# Altium PCB Venato_PCB_v2.PcbDoc (part 1 of 2)
Units mm, origin at the board's own origin, x right, y up, seen from the top; angles counter-clockwise.
Board outline 81.12 x 49.73 mm, 4 copper layers (Top Layer, GND, PWR, Bottom Layer), stack 1.586 mm thick; 111 components, 90 nets, 476 pads, 277 vias.
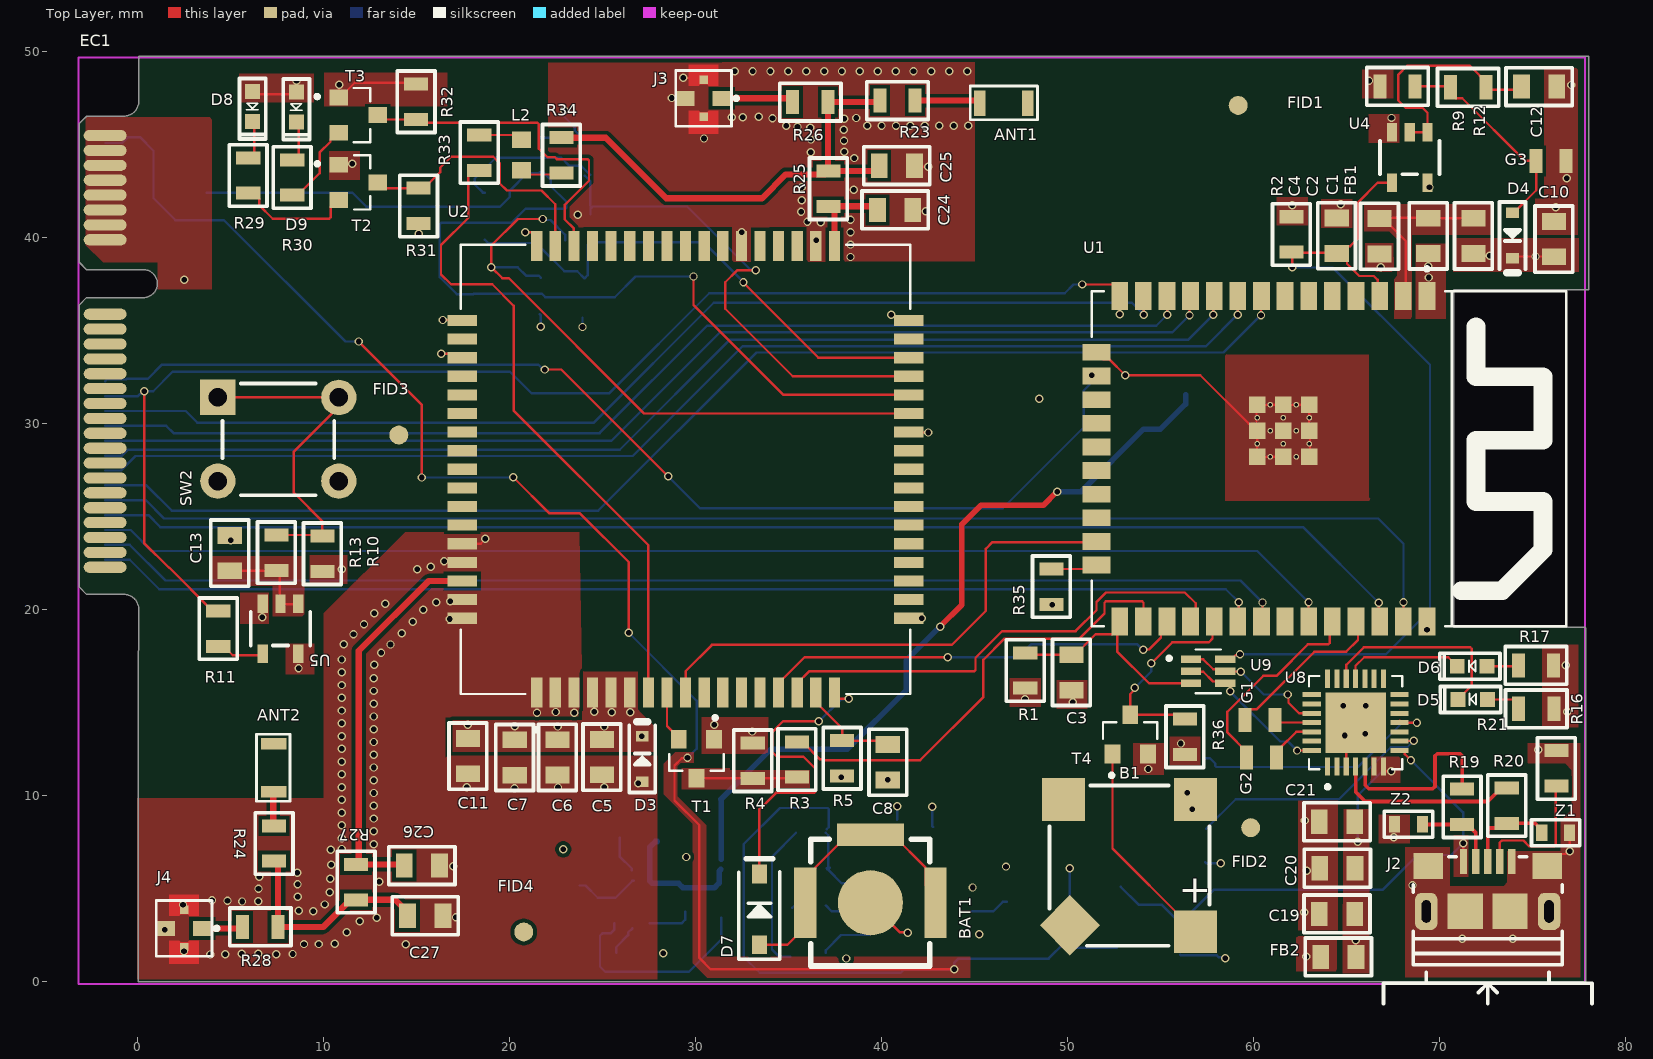
[diagram p0: Top Layer view]
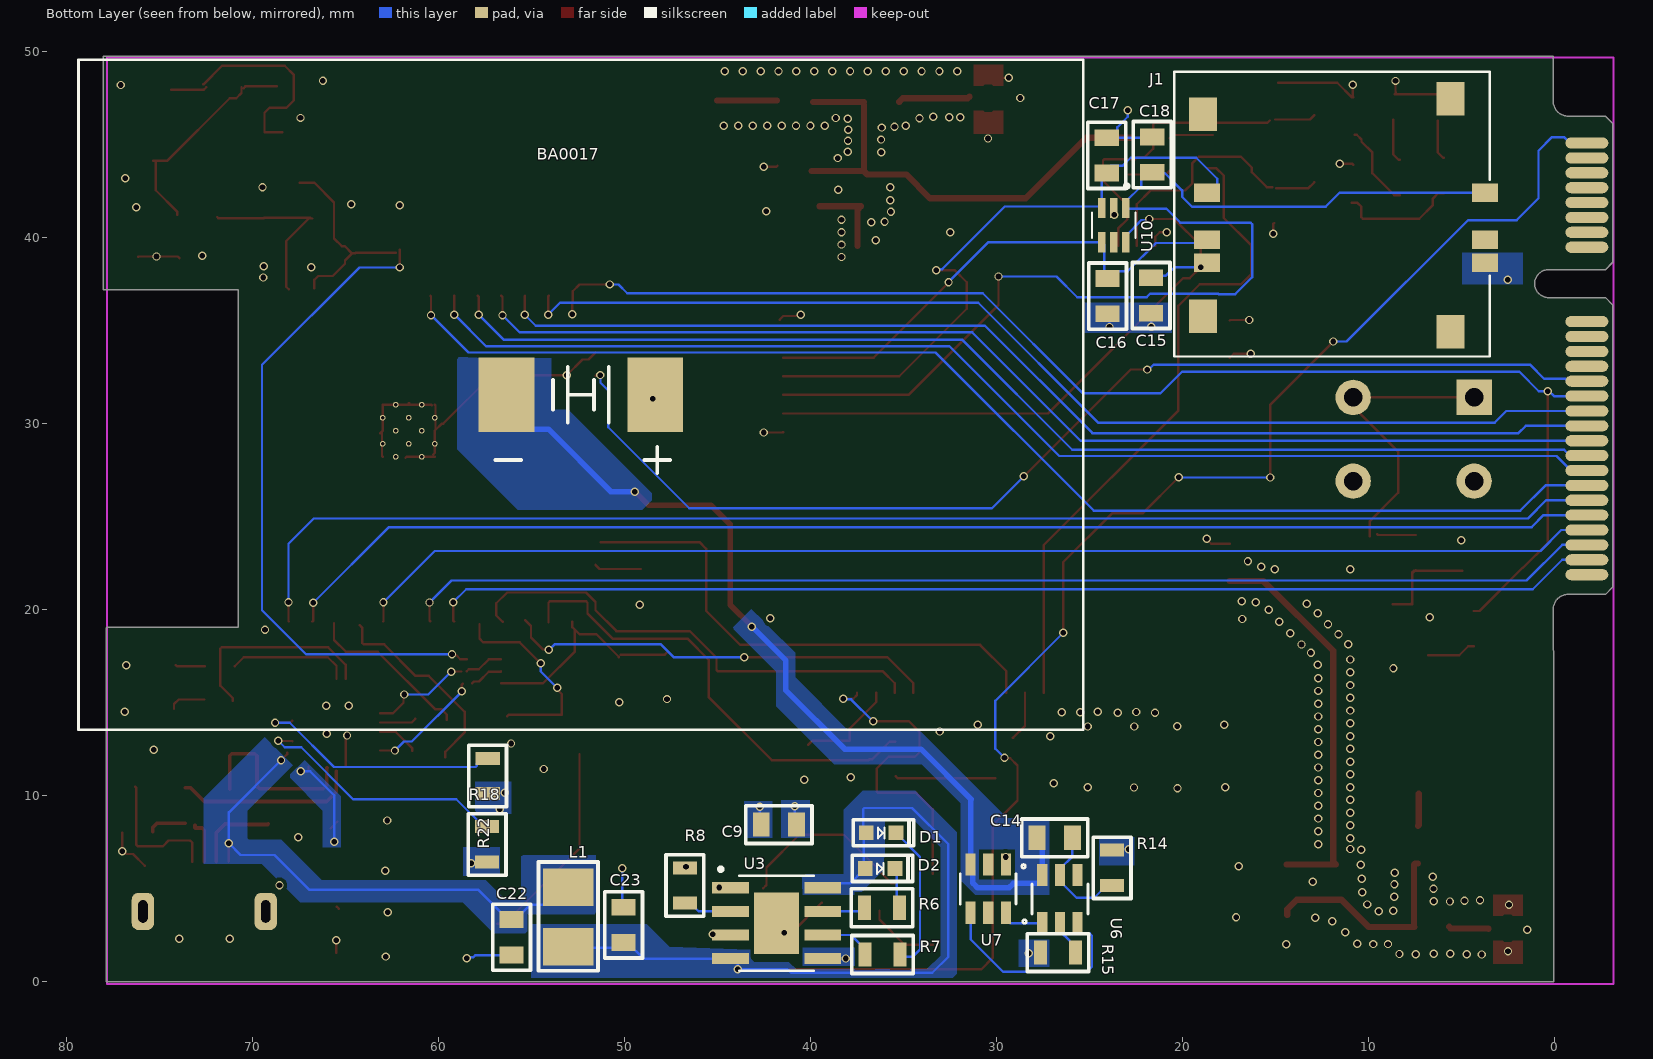
[diagram p1: Bottom Layer view, seen from below]
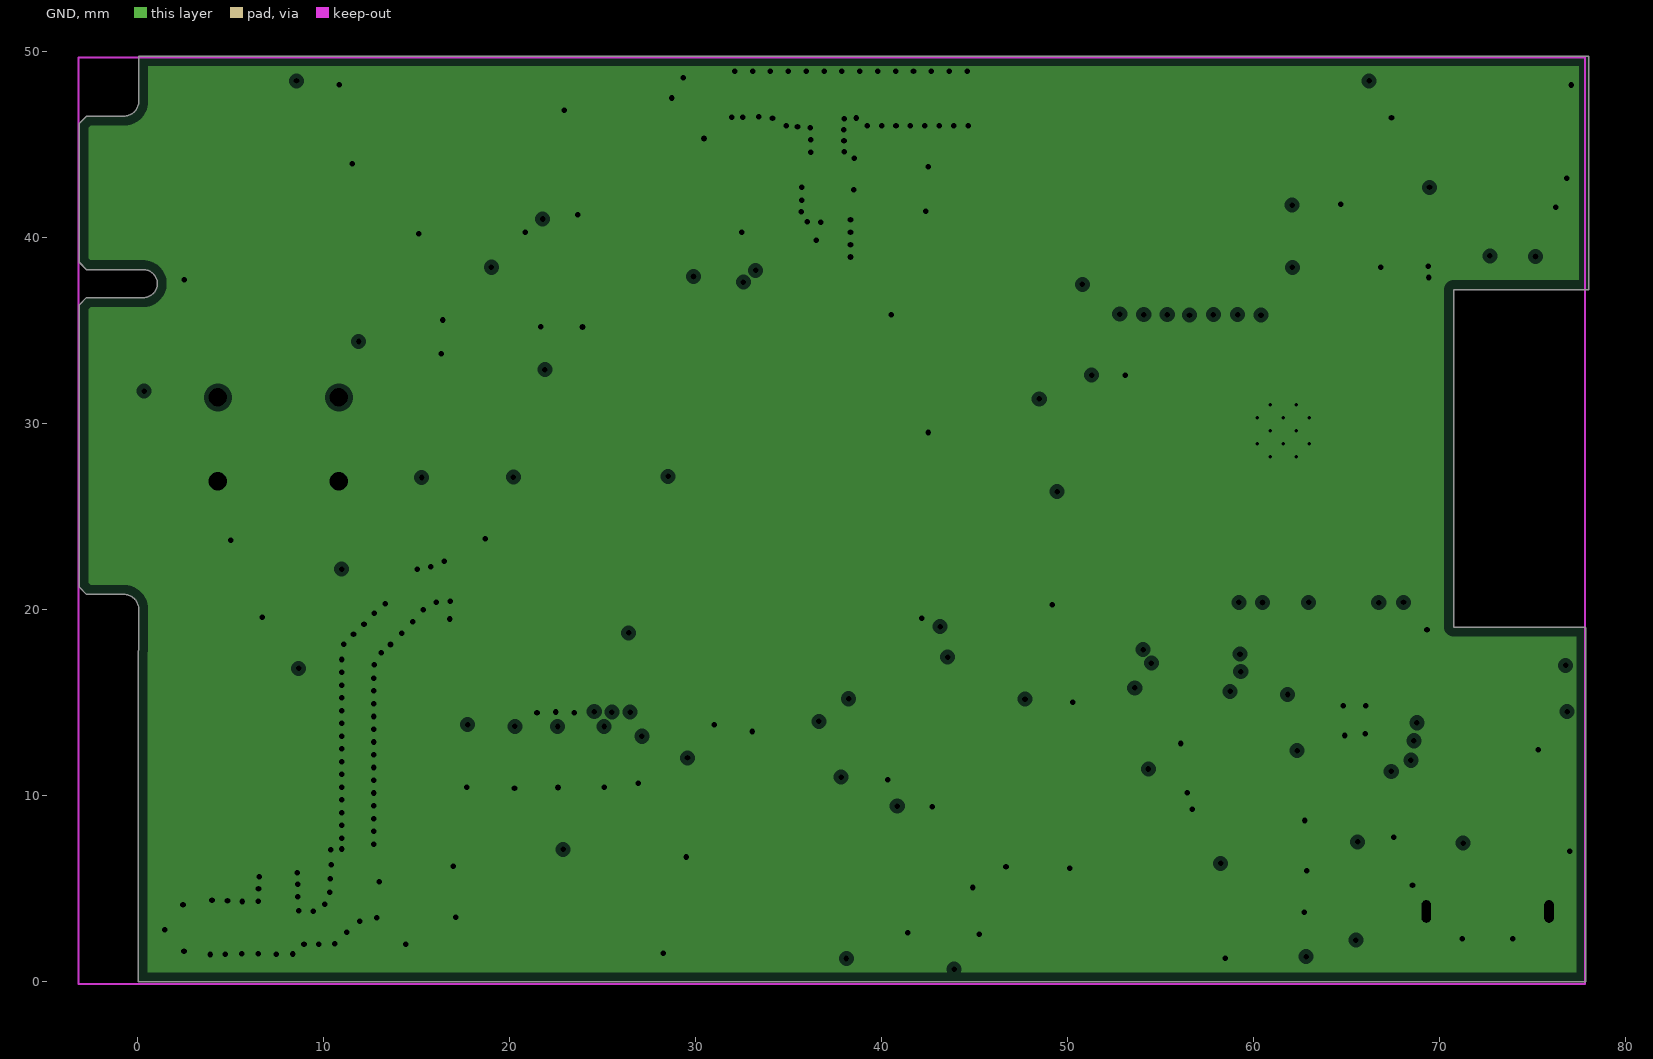
[diagram p2: GND, clearances drawn from the general rule]
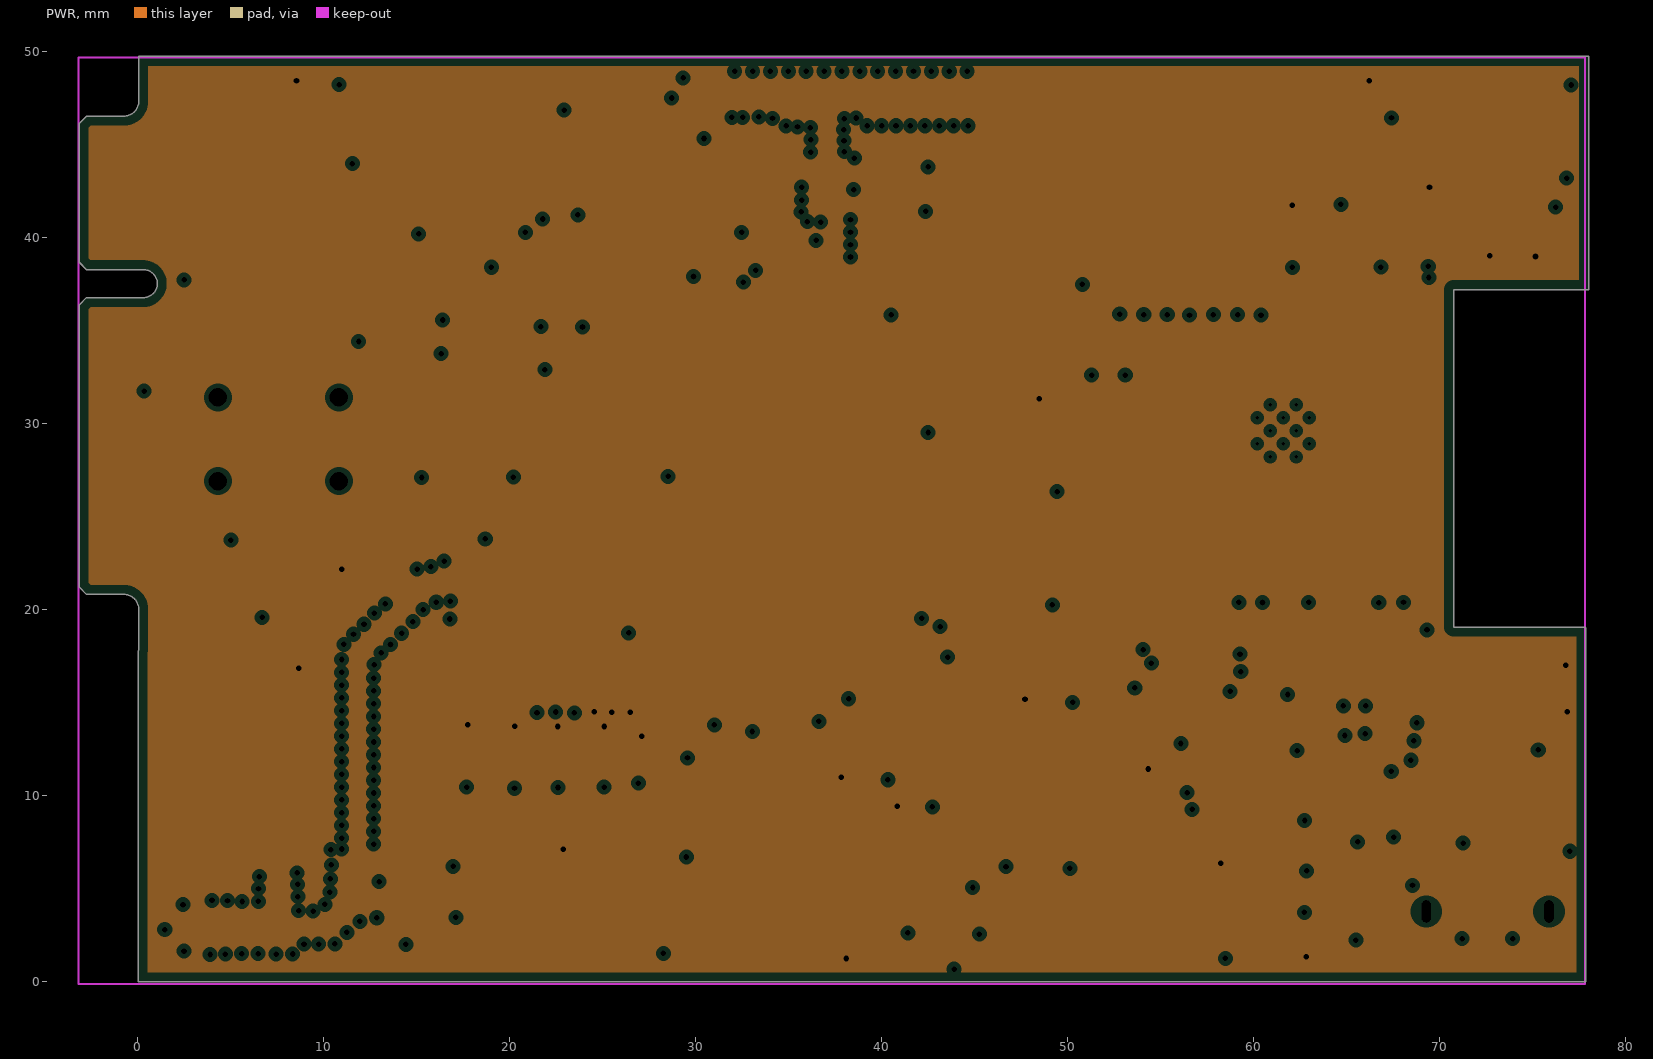
[diagram p3: PWR, clearances drawn from the general rule]
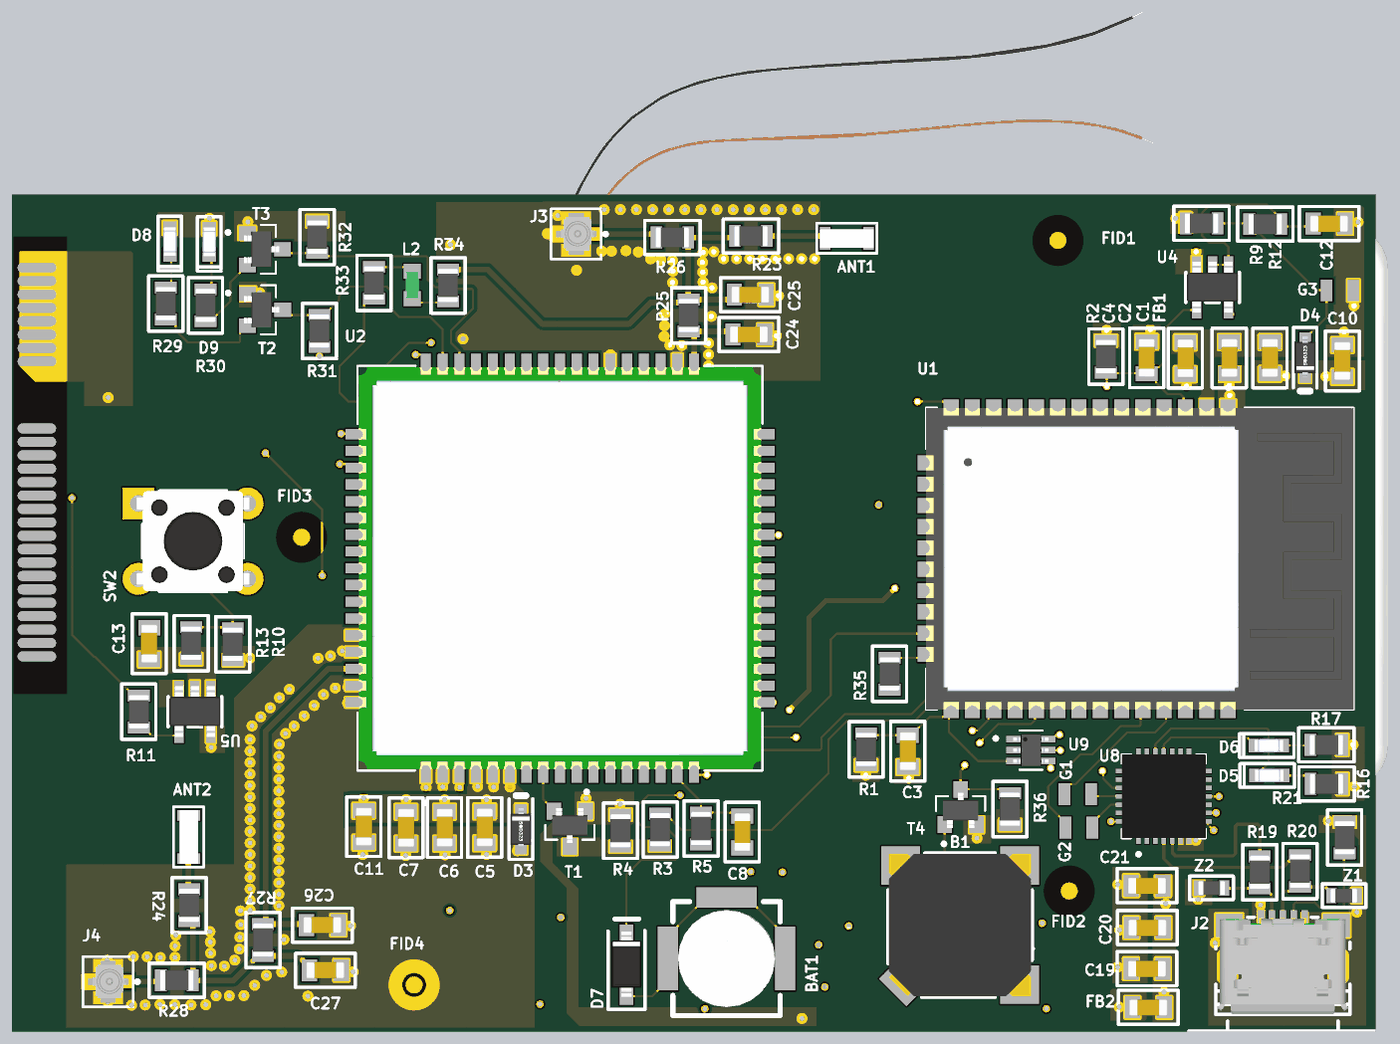
[diagram p5: 3D render of the assembled board from above, using the file's embedded part models]
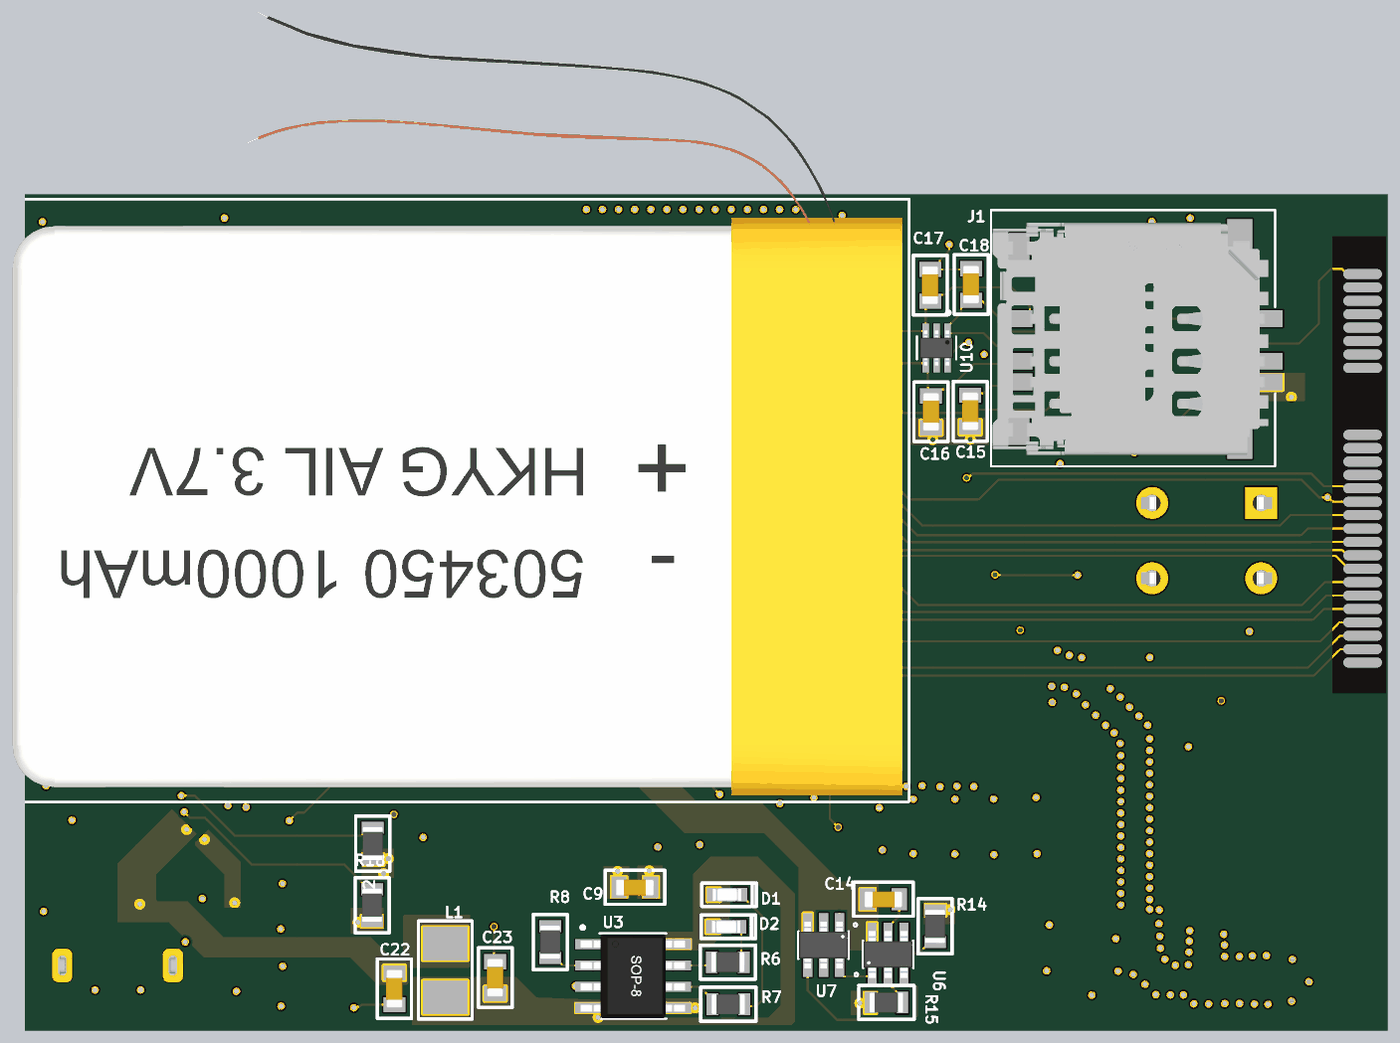
[diagram p6: 3D render of the assembled board from below, using the file's embedded part models]

## Layer stack, top to bottom
Top Solder: solder mask 0.0254, SM-001, Dk 4
Top Layer: signal copper 0.035
Dielectric 2: prepreg 0.2104, PP-006, Dk 4.6
GND: plane copper 0.0152, net GND
Dielectric 1: core 1.065, Core-043, Dk 4.6
PWR: plane copper 0.0152, net +3.7V_B
Dielectric 3: prepreg 0.2104, PP-006, Dk 4.6
Bottom Layer: signal copper 0.035
Bottom Solder: solder mask 0.0254, SM-001, Dk 4

## Board outline
-2.728,20.815 -0.728,20.815 cw(c-0.728,20.015) 0.072,20.015 0.072,17.815 0.033,17.764 0.033,-0.011 77.851,-0.011 77.851,19.003 77.803,19.05 70.733,19.05 70.733,26.11 70.738,26.115 70.738,37.198 70.74,37.196 77.994,37.196 77.994,49.723 0.073,49.723 0.073,49.538 0.072,49.515 0.072,47.315 cw(c-0.728,47.315) -0.728,46.515 -2.728,46.515 -3.128,46.115 -3.128,38.665 -2.728,38.265 0.322,38.265 cw(c0.322,37.515) 0.322,36.765 -2.728,36.765 -3.128,36.365 -3.128,21.215

## Design rules (kind name [scope] priority, off if disabled: settings)
AssemblyTestPointUsage [All] p1: valid=2
AssemblyTestpoint [All] p1: testpointundercomponent=TRUE minsize=1.016 maxsize=2.54 preferedsize=1.524 minholesize=0 maxholesize=1.016 preferedholesize=0.813 testpointgrid=0.025 usegrid=FALSE gridtolerance=0 allowsidetop=TRUE allowsidebottom=TRUE
Clearance [All] p1: gap=0.2 ignorepadtopadclearanceinfootprint=FALSE except(0.127: SMDPad-SMDPad; 0.254: Arc-Via Track-Via Via-Via; 0.33: Arc-THPad Track-THPad; 0.5: THPad-THPad)
DiffPairsRouting DiffPairsRouting_1 [InDifferentialPair('USB')] p1: maxlimit=0.127 minlimit=0.127 mostfreqgap=0.127 toplayer_minwidth=0.194 toplayer_maxwidth=0.194 toplayer_prefwidth=0.194 bottomlayer_minwidth=0.194 bottomlayer_maxwidth=0.194 bottomlayer_prefwidth=0.194 impedanceprofiledriven=TRUE impedanceprofileid={75167C24-F014-4020-92DB-5452C391FAD7} impedanceprofilevalue=90.000000 maxuncoupledlength=12.7
DiffPairsRouting [InDifferentialPair('CON_USB')] p2: maxlimit=0.127 minlimit=0.127 mostfreqgap=0.127 toplayer_minwidth=0.194 toplayer_maxwidth=0.194 toplayer_prefwidth=0.194 bottomlayer_minwidth=0.194 bottomlayer_maxwidth=0.194 bottomlayer_prefwidth=0.194 impedanceprofiledriven=TRUE impedanceprofileid={75167C24-F014-4020-92DB-5452C391FAD7} impedanceprofilevalue=90.000000 maxuncoupledlength=12.7
FabricationTestPointUsage [All] p1: valid=2 allowmultiple=FALSE
FabricationTestpoint [All] p1: side=3 testpointundercomponent=TRUE minsize=1.016 maxsize=2.54 preferedsize=1.524 minholesize=0 maxholesize=1.016 preferedholesize=0.813 testpointgrid=0.025 allowsidetop=TRUE allowsidebottom=TRUE usegrid=FALSE gridtolerance=0
MinimumSolderMaskSliver [All] p1: minsoldermaskwidth=0
PlaneClearance [All] p1: clearance=0.254
PlaneConnect [All] p1: planeconnectstyle=Direct reliefexpansion=0.508 reliefentries=4 reliefconductorwidth=0.254 reliefairgap=0.254
PolygonConnect [All] p1: connectstyle=Direct reliefconductorwidth=0.254 reliefentries=4 polygonreliefangle="90 Angle" airgapwidth=0.254
RoutingVias [All] p1: holewidth=0.3 width=0.45 viastyle="Through Hole" minholewidth=0.3 minwidth=0.45 maxholewidth=4 maxwidth=6
SilkToSilkClearance [All] p1: silktosilkclearance=0
SilkToSolderMaskClearance [IsPad] p1: minsilkscreentomaskgap=0 clearancetoexposedcopper=TRUE
SolderMaskExpansion [All] p1: expansion=0.102 istentingtop=FALSE
UnRoutedNet [All] p1: checkbadconnections=TRUE
Width Width_VBAT [InNet('-VBAT')] p1: maxlimit=0.3 minlimit=0.3 preferedwidth=0.3
Width Width_S50 [InNetClass('S50')] p2: maxlimit=0.336 minlimit=0.336 preferedwidth=0.336 impedanceprofiledriven=TRUE impedanceprofileid={2D554648-7470-4B6A-B256-5873F72B3ABA} impedanceprofilevalue=50.000000 minimp=50.000000 maximp=50.000000 favimp=50.000000
Width [All] p3: maxlimit=0.127 minlimit=0.127 preferedwidth=0.127
19 further rules are at their usual default settings.

## Classes and differential pairs
net class S50: GPS_ANT GSM_ANT NetANT1_1 NetANT2_1 NetC25_2 NetC27_2 NetJ3_1 NetJ4_1
differential pair class usb_direct: CON_USB
differential pair class USB_chip: USB
differential pair USB: +USB_P -USB_N
differential pair CON_USB: +CON_USB_P -CON_USB_N

## Components (designator, comment, footprint, x,y, rotation, side; value= is the part's Value field where it differs from the comment)
ANT1 "W3043" W3010 46.564,47.215 r0 top
ANT2 "W3043" W3010 7.32,11.498 r90 top
B1 "SMD-8503-3627-16" SMD-8503-3627-16O 53.32,6.239 r0 top
BA0017 "BAT?" BATTERY 52.331,31.542 r0 bottom
BAT1 "MY-521-01" My-521-01 39.392,4.244 r0 top
C1 "22uF" C0805 69.373,40.084 r90 top
C2 "100nF" C0805 66.755,40.064 r90 top
C3 "100nF" C0805 50.198,16.619 r90 top
C4 "100nF" C0805 64.452,40.091 r270 top
C5 "100nF" C0805 24.968,12.07 r90 top
C6 "1uF" C0805 22.576,12.058 r90 top
C7 "100uF" C0805 20.277,12.048 r90 top
C8 "1uF" C0805 40.329,11.792 r90 top
C9 "10uF" C0805 41.693,8.443 r180 bottom
C10 "100nF" C0805 76.125,39.904 r270 top
C11 "100nF" C0805 17.759,12.119 r90 top
C12 "1uF" C0805 75.329,48.103 r0 top
C13 "1uF" C0805 4.963,23.035 r90 top
C14 "100nF" C0805 26.866,7.732 r180 bottom
C15 "33pF" C0805 21.683,36.877 r90 bottom
C16 "33pF" C0805 24.027,36.844 r90 bottom
C17 "33pF" C0805 24.067,44.405 r270 bottom
C18 "100nF" C0805 21.622,44.446 r270 bottom
C19 "10uF" C0805 64.469,3.641 r0 top
C20 "100nF" C0805 64.493,6.095 r0 top
C21 "100nF" C0805 64.473,8.597 r0 top
C22 "100uF" C0805 56.052,2.389 r90 bottom
C23 "100uF" C0805 50.033,3.051 r270 bottom
C24 "100nF" C0805 40.725,41.477 r180 top
C25 "100nF" C0805 40.813,43.854 r180 top
C26 "100nF" C0805 15.29,6.238 r180 top
C27 "100nF" C0805 15.468,3.545 r180 top
D1 "Green" LED0603 36.197,8.003 r0 bottom
D2 "Orange" LED0603 36.246,6.088 r0 bottom
D3 "5.1V" SOD323 27.134,11.965 r270 top
D4 "BAT54HT1G" SOD323 73.901,40.104 r90 top
D5 "Orange" LED0603 71.766,15.167 r0 top
D6 "Orange" LED0603 71.736,16.953 r0 top
D7 "RB160M-30TR" SOD123 33.426,3.887 r270 top
D8 "Green" LED0603 6.192,47.036 r90 top
D9 "Green" LED0603 8.544,47.01 r90 top
EC1 "Edge Card , Pin 52" "Edge Connector" -3.137,37.523 r270 top
FB1 "MPZ2012S601AT000" C0805 71.798,40.084 r90 top
FB2 "MPZ2012S601AT000" C0805 64.548,1.334 r0 top
FID1 "FID_1MM" FID_x_420 59.157,47.092 r0 top
FID2 "FID_1MM" FID_x_420 59.83,8.277 r0 top
FID3 "FID_1MM" FID_x_420 14.052,29.38 r0 top
FID4 "FID_1MM" FID_x_420 20.763,2.671 r0 top
G1 "0" R0805_no_3d 60.337,14.061 r0 top
G2 "0" R0805_no_3d 60.413,12.056 r0 top
G3 "0" R0805_no_3d 75.976,44.114 r180 top
J1 "78800-0001" SIM 11.963,41.199 r180 bottom
J2 "10118193-0001LF" 10118193-0001LF 72.569,5.114 r0 top
J3 "SMA/RF" IPEX_20579-001E 30.431,47.474 r90 top
J4 "SMA/RF" IPEX_20579-001E 2.511,2.864 r90 top
L1 "2U2/2A" CL_inductor 53.013,3.481 r270 bottom
L2 "27nH" INDC1608X100N 20.653,44.431 r270 top
R1 "10K" R0805 47.715,16.726 r90 top
R2 "10K" R0805 62.019,40.159 r270 top
R3 "4.7K" R0805 35.442,11.941 r270 top
R4 "47K" R0805 33.073,11.876 r90 top
R5 "10K" R0805 37.875,12.005 r90 top
R6 "680" R0805 36.147,3.974 r180 bottom
R7 "680" R0805 36.122,1.462 r180 bottom
R8 "1.2k" R0805 46.74,5.173 r270 bottom
R9 "1K" R0805 67.721,48.116 r180 top
R10 "1K" R0805 9.943,22.996 r270 top
R11 "560" R0805 4.345,18.975 r90 top
R12 "10K" R0805 71.519,48.065 r0 top
R13 "10K" R0805 7.468,23.06 r270 top
R14 "100" R0805 23.781,6.119 r90 bottom
R15 "1K" R0805 26.688,1.565 r180 bottom
R16 "560" R0805 75.181,14.666 r0 top
R17 "560" R0805 75.168,16.996 r0 top
R18 "10K" R0805 57.374,7.378 r270 bottom
R19 "22" R0805 71.196,9.395 r90 top
R20 "22" R0805 73.593,9.463 r90 top
R21 "0R" R0805 76.258,11.463 r90 top
R22 "10K" R0805 57.339,11.055 r90 bottom
R23 "0R" R0805 40.852,47.356 r0 top
R24 "0R" R0805 7.346,7.426 r90 top
R25 "0R" R0805 37.136,42.618 r90 top
R26 "0R" R0805 36.166,47.272 r180 top
R27 "0R" R0805 11.751,5.353 r270 top
R28 "0R" R0805 6.61,2.946 r180 top
R29 "680" R0805 5.953,43.328 r90 top